# Altium PCB GEM_AFE_128.PcbDoc (part 16 of 18) (continued)
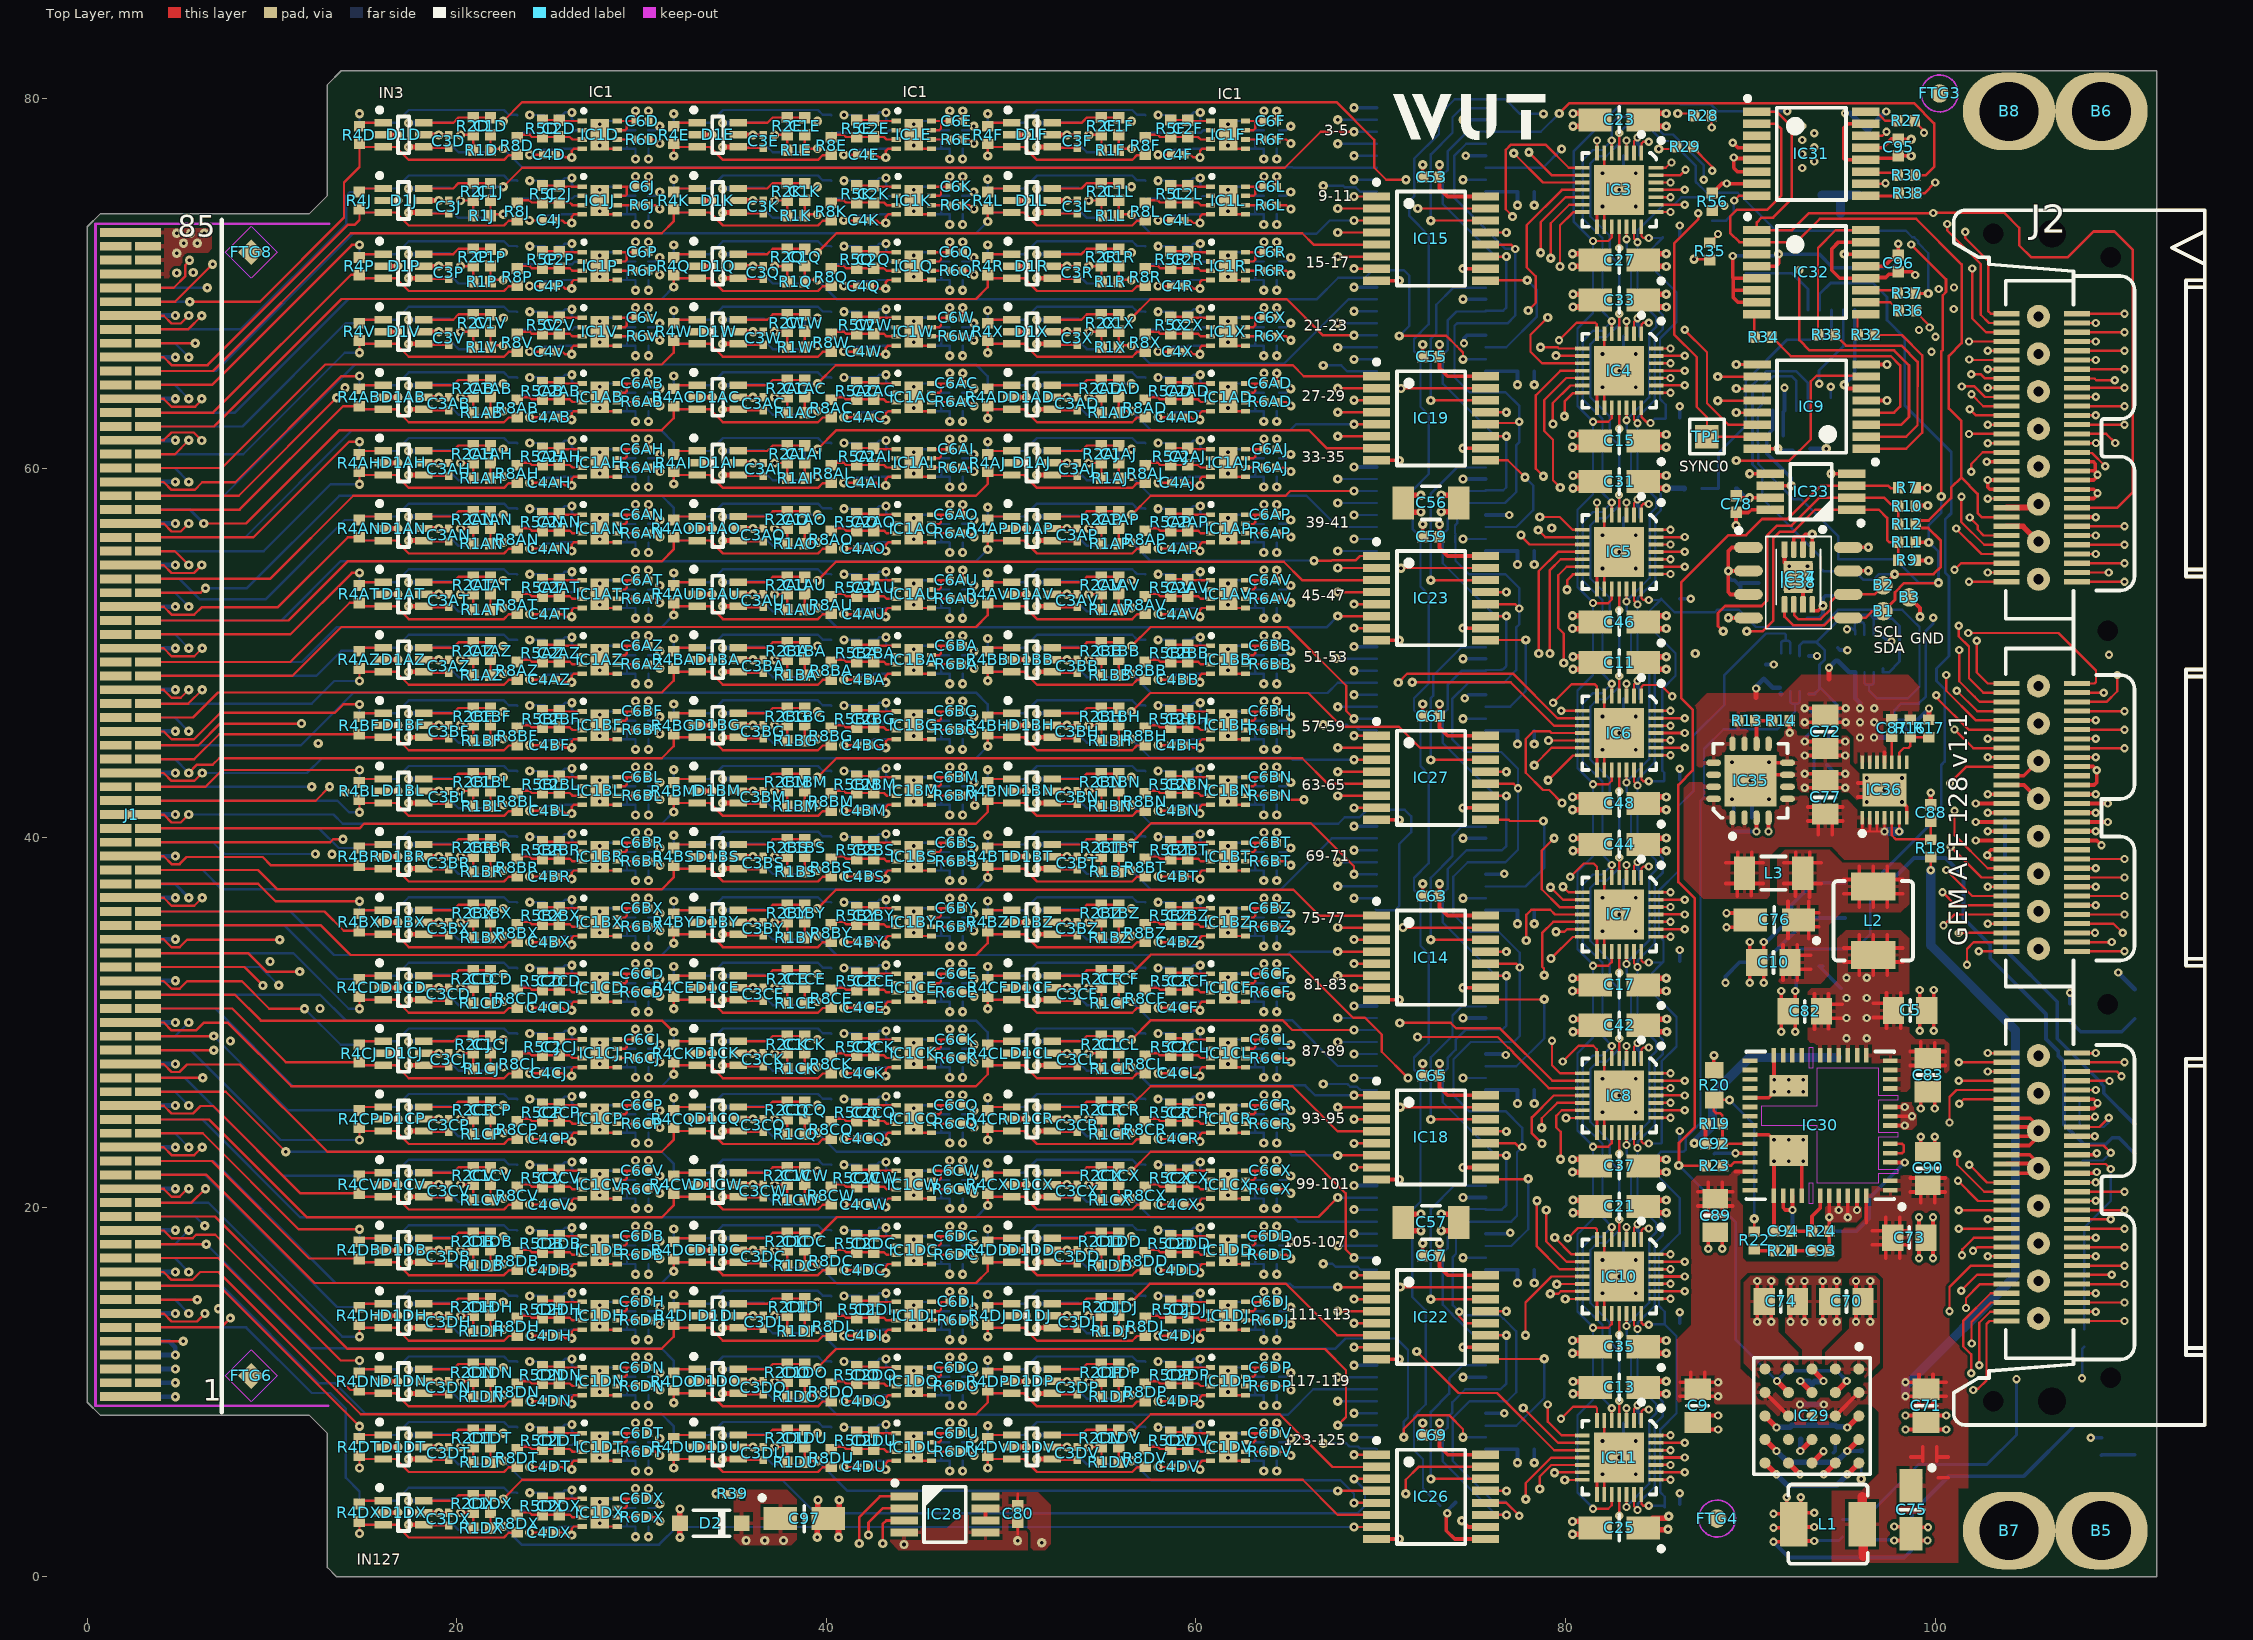
[diagram p0: Top Layer view]
## Nets (pads, with @x,y where several pads share a name; then routed paths per layer and width w, separated by ;. In a path a pad name is that pad's centre, name@x,y a point inside that pad or via, vN(x,y) a via of type N, cw(c..) or ccw(c..) an arc to the next point about the centre after c; other vN are vias at no path point) (continued)
  L4 w0.127: v1(65.132,32.339) 67.28,32.339 67.502,32.117 67.873,32.117 68.282,32.525 68.815,32.525 69.002,32.339 75.339,32.339 75.979,32.979 76.939,32.979 77.105,32.812 77.13,32.812 77.359,32.584 78.023,32.584 78.413,32.974 80.926,32.974 82.05,31.85 84.2,31.85 84.772,31.278 86.128,31.278 88.25,33.4 91.05,33.4 92.178,34.528 100.972,34.528 101.084,34.416 101.516,34.416 101.641,34.541 103.609,34.541 105.1,33.05 106.85,33.05 v2(108.65,34.85)
  Bottom Layer w0.127: R6CC.2@64.506,32.126 64.882,32.126 65.094,32.339 v1(65.132,32.339)
OUTP81: J2.117 R6CD.2 | length 79
  Top Layer w0.127: R6CD.2@30.361,31.624 30.736,31.624 30.949,31.411 v1(30.987,31.411) ; v2(101.722,33.122) 101.722,33.974 102.092,34.344 J2.117@103.861,34.344
  L4 w0.127: v1(30.987,31.411) 32.731,31.411 34.043,30.1 67.231,30.1 67.503,29.828 67.847,29.828 68.119,30.1 70.571,30.1 70.86,30.389 73.717,30.389 74.278,29.828 74.622,29.828 74.894,30.1 79.343,30.1 79.986,29.457 79.986,29.321 80.229,29.077 80.627,29.077 81.6,30.05 84,30.05 85.228,28.822 85.872,28.822 88.335,31.285 92.585,31.285 94.422,33.122 v2(101.722,33.122)
OUTP82: J2.118 R6CE.2 | length 69.7
  Top Layer w0.127: R6CE.2@47.361,31.624 47.736,31.624 47.949,31.411 v1(47.987,31.411) ; J2.118@107.671,34.344 109.544,34.344 v2(109.55,34.35)
  L4 w0.127: v1(47.987,31.411) 48.889,31.411 49.675,30.625 56.8,30.625 57.425,31.25 60.55,31.25 61.1,30.7 62.525,30.7 63.025,31.2 64.45,31.2 64.9,30.75 68.106,30.75 68.378,30.478 68.722,30.478 68.994,30.75 78.05,30.75 78.35,30.45 79.15,30.45 79.3,30.6 84,30.6 85.059,29.541 85.059,29.321 85.302,29.077 85.646,29.077 88.265,31.696 90.996,31.696 92.731,33.431 101.231,33.431 101.34,33.54 101.96,33.54 103.091,32.409 107.609,32.409 v2(109.55,34.35)
OUTP83: J2.119 R6CF.2 | length 41.7
  Top Layer w0.127: R6CF.2@64.511,31.624 64.886,31.624 65.099,31.411 v1(65.137,31.411) ; v2(102.35,33.85) 102.356,33.844 J2.119@103.861,33.844
  L4 w0.127: v1@64.987,31.411 v1(65.137,31.411) 70.591,31.411 70.827,31.647 71.17,31.647 71.579,31.238 74.715,31.238 74.888,31.411 77.939,31.411 78.51,30.84 79.015,30.84 79.124,30.95 84.15,30.95 84.5,30.6 86.45,30.6 88.55,32.7 91.34,32.7 92.49,33.85 v2(102.35,33.85)
OUTP84: J2.120 R6CG.2 | length 89.3
  Top Layer w0.127: J2.120@107.671,33.844 v2(110.25,33.844)
  L4 w0.127: v1(30.982,28.789) 32.815,28.789 33.427,29.4 37.775,29.4 38.6,28.575 43.075,28.575 43.9,29.4 44.875,29.4 45.175,29.1 47.5,29.1 48.109,29.709 56.691,29.709 57.525,28.875 60.224,28.875 61.064,29.716 62.415,29.716 63.056,29.075 64.55,29.075 64.969,29.494 68.062,29.494 68.378,29.178 71.374,29.178 71.819,29.622 72.163,29.622 72.291,29.494 79.355,29.494 80.049,28.8 80.85,28.8 81.75,29.7 83.7,29.7 84.365,29.035 84.66,29.035 85.124,28.572 86.072,28.572 88.467,30.967 92.717,30.967 94.565,32.815 100.985,32.815 101.706,32.094 107.944,32.094 109.694,33.844 v2(110.25,33.844)
  Bottom Layer w0.127: R6CG.2@30.356,28.576 30.732,28.576 30.944,28.789 v1(30.982,28.789)
OUTP85: J2.121 R6CH.2 | length 60.7
  Top Layer w0.127: v2(102.84,28.343) 102.842,28.341 J2.121@103.861,28.341
  L4 w0.127: v1(47.982,28.789) 50.392,28.789 51.004,29.4 51.675,29.4 52.225,28.85 54.675,28.85 55.15,28.375 60.325,28.375 61.3,29.35 62.025,29.35 63.05,28.325 66.525,28.325 66.551,28.299 67.969,28.299 68.378,28.708 68.722,28.708 69.007,28.423 72.632,28.423 72.909,28.7 78.287,28.7 78.662,28.325 78.925,28.325 78.977,28.273 81.827,28.273 82.15,27.95 86.4,27.95 88.6,30.15 94.45,30.15 94.8,29.8 96.65,29.8 96.95,30.1 101.083,30.1 v2(102.84,28.343)
  Bottom Layer w0.127: R6CH.2@47.356,28.576 47.732,28.576 47.944,28.789 v1(47.982,28.789)
OUTP86: J2.122 R6CI.2 | length 48.1
  Top Layer w0.127: J2.122@107.671,28.341 108.69,28.341 v2(108.692,28.343)
  L4 w0.127: v1(65.132,28.789) 67.242,28.789 67.503,28.528 67.875,28.528 68.283,28.937 68.817,28.937 68.964,28.789 72.464,28.789 72.883,29.207 78.066,29.207 78.345,28.929 78.382,28.929 78.522,28.789 78.942,28.789 79.19,28.541 82.109,28.541 82.395,28.255 86.255,28.255 88.636,30.636 106.399,30.636 v2(108.692,28.343)
  Bottom Layer w0.127: R6CI.2@64.506,28.576 64.882,28.576 65.094,28.789 v1(65.132,28.789)
OUTP87: J2.123 R6CJ.2 | length 76.8
  Top Layer w0.127: R6CJ.2@30.361,28.074 30.736,28.074 30.949,27.861 v1(30.987,27.861) ; v2(101.282,27.841) J2.123@103.861,27.841
  L4 w0.127: v1(30.987,27.861) 32.731,27.861 33.393,27.2 37.775,27.2 38.6,28.025 43.15,28.025 43.9,27.275 45.05,27.275 45.3,27.525 47.55,27.525 48.525,26.55 66.423,26.55 66.72,26.253 67.064,26.253 67.247,26.436 68.343,26.436 68.377,26.47 68.72,26.47 68.754,26.436 74.786,26.436 75.2,26.85 81.45,26.85 81.8,26.5 84.75,26.5 85.2,26.05 85.897,26.05 86.286,26.438 86.888,26.438 87.35,26.9 88.35,26.9 89.655,28.205 100.918,28.205 v2(101.282,27.841)
OUTP88: J2.124 R6CK.2 | length 70.4
  Top Layer w0.127: R6CK.2@47.361,28.074 47.736,28.074 47.949,27.861 v1(47.987,27.861) ; J2.124@107.671,27.841 v2(110.25,27.841)
  L4 w0.127: v1(47.987,27.861) 48.889,27.861 49.675,27.075 56.8,27.075 57.425,27.7 60.55,27.7 61.1,27.15 62.525,27.15 63.025,27.65 64.45,27.65 64.9,27.2 68.17,27.2 68.378,27.408 71.647,27.408 71.691,27.364 74.234,27.364 74.278,27.408 74.622,27.408 74.83,27.2 80.3,27.2 80.46,27.36 84.89,27.36 85.392,26.858 85.837,26.858 86.329,27.35 88.2,27.35 89.51,28.66 101.078,28.66 102.043,27.695 102.043,27.325 102.486,26.882 103.013,26.882 105.271,29.14 105.967,29.14 107.266,27.841 v2(110.25,27.841)
OUTP89: J2.125 R6CL.2 | length 41.6
  Top Layer w0.127: R6CL.2@64.511,28.074 64.886,28.074 65.099,27.861 v1(65.137,27.861) ; v2(102.84,27.343) 102.842,27.341 J2.125@103.861,27.341
  L4 w0.127: v1(65.137,27.861) 71.768,27.861 72.102,28.195 73.345,28.195 73.679,27.861 76.597,27.861 76.608,27.851 76.931,27.851 76.942,27.861 79.289,27.861 79.658,27.493 80.042,27.493 80.2,27.65 86.65,27.65 86.801,27.801 88.2,27.801 89.448,29.05 94.4,29.05 94.885,29.535 96.615,29.535 97.05,29.1 101.083,29.1 v2(102.84,27.343)
OUTP90: J2.126 R6CM.2 | length 90
  Top Layer w0.127: J2.126@107.671,27.341 109.836,27.341 v2(110.083,27.094)
  L4 w0.127: v1(30.982,25.239) 32.815,25.239 33.427,25.85 37.775,25.85 38.6,25.025 43.075,25.025 43.9,25.85 44.875,25.85 45.95,24.775 49.929,24.775 51.004,25.85 51.675,25.85 52.225,25.3 54.675,25.3 55.15,24.825 60.325,24.825 61.3,25.8 62.025,25.8 63.05,24.775 66.3,24.775 66.314,24.761 67.968,24.761 68.377,25.17 68.72,25.17 69.188,24.702 71.446,24.702 71.944,25.2 78.487,25.2 78.937,25.65 80.8,25.65 81.72,24.73 82.785,24.73 84.854,24.73 85.857,23.727 86.477,23.727 88.119,25.369 93.679,25.369 95.262,26.952 100.082,26.952 101.044,25.99 103.8,25.99 104.848,27.038 106.262,27.038 106.55,26.75 108.9,26.75 109.3,26.35 109.746,26.35 110.083,26.687 v2(110.083,27.094)
  Bottom Layer w0.127: R6CM.2@30.356,25.026 30.732,25.026 30.944,25.239 v1(30.982,25.239)
OUTP91: J2.127 R6CN.2 | length 60.8
  Top Layer w0.127: v2(101.282,26.841) J2.127@103.861,26.841
  L4 w0.127: v1(47.982,25.239) 48.989,25.239 49.909,26.159 56.691,26.159 57.525,25.325 60.224,25.325 61.064,26.166 62.415,26.166 63.056,25.525 64.55,25.525 64.969,25.944 68.072,25.944 68.377,25.639 68.72,25.639 69.052,25.971 74.921,25.971 75.35,26.4 81.2,26.4 81.55,26.05 82.25,26.05 82.67,25.63 83.23,25.63 83.6,26 84.7,26 85.442,25.258 85.837,25.258 86.218,25.638 86.788,25.638 87.7,26.55 88.5,26.55 89.776,27.826 100.297,27.826 v2(101.282,26.841)
  Bottom Layer w0.127: R6CN.2@47.356,25.026 47.732,25.026 47.944,25.239 v1(47.982,25.239)
OUTP92: J2.128 R6CO.2 | length 51.2
  Top Layer w0.127: J2.128@107.671,26.841 109.422,26.841 v2(109.437,26.826)
  L4 w0.127: v1@64.982,25.239 v1(65.132,25.239) 67.252,25.239 67.502,24.989 67.845,24.989 68.254,25.398 68.815,25.398 68.975,25.239 70.629,25.239 70.878,24.989 71.222,24.989 71.811,25.578 75.141,25.578 75.612,26.05 80.9,26.05 81.39,25.56 82.24,25.56 82.5,25.3 83.35,25.3 83.61,25.56 84.399,25.56 85.501,24.458 85.837,24.458 86.079,24.7 86.6,24.7 88.119,26.219 90.631,26.219 91.014,25.836 93.486,25.836 95.069,27.419 100.041,27.419 101.01,26.45 103.6,26.45 104.435,27.285 108.977,27.285 v2(109.437,26.826)
  Bottom Layer w0.127: R6CO.2@64.506,25.026 64.882,25.026 65.094,25.239 v1(65.132,25.239)
OUTP93: J2.129 R6CP.2 | length 79.7
  Top Layer w0.127: R6CP.2@30.361,24.524 30.736,24.524 30.949,24.311 v1(30.987,24.311) ; v2(100.779,24.586) 100.779,25.971 101.148,26.341 J2.129@103.861,26.341
  L4 w0.127: v1(30.987,24.311) 32.731,24.311 33.643,23.4 39.85,23.4 40.578,24.128 43.522,24.128 44,23.65 45.749,23.65 46.399,23 67.282,23 67.502,23.22 67.845,23.22 68.065,23 73.15,23 73.839,23.689 77.039,23.689 77.229,23.879 84.616,23.879 85.491,23.004 85.646,23.004 85.973,22.677 86.321,22.677 86.598,22.4 87.434,22.4 89.29,24.255 94.141,24.255 95.724,25.839 100.038,25.839 100.201,25.676 100.202,25.676 100.37,25.508 100.37,24.994 v2(100.779,24.586)
OUTP94: J2.130 R6CQ.2 | length 67.6
  Top Layer w0.127: R6CQ.2@47.361,24.524 47.736,24.524 47.949,24.311 v1(47.987,24.311) ; J2.130@107.671,26.341 108.69,26.341 v2(108.692,26.343)
  L4 w0.127: v1(47.987,24.311) 48.889,24.311 49.675,23.525 56.8,23.525 57.425,24.15 60.55,24.15 61.1,23.6 62.525,23.6 63.025,24.1 64.45,24.1 64.9,23.65 68.157,23.65 68.377,23.87 68.72,23.87 68.94,23.65 73,23.65 73.87,24.52 78.353,24.52 78.542,24.709 78.991,24.709 79.3,24.4 81.1,24.4 81.345,24.155 84.684,24.155 85.59,23.25 85.795,23.25 86.14,22.905 86.441,22.905 86.618,22.728 87.256,22.728 89.15,24.623 93.988,24.623 95.572,26.206 100.061,26.206 101.317,24.95 103.2,24.95 103.35,25.1 107.449,25.1 v2(108.692,26.343)
OUTP95: J2.131 R6CR.2 | length 42.9
  Top Layer w0.127: R6CR.2@64.511,24.524 64.886,24.524 65.099,24.311 v1(65.137,24.311) ; v2(101.3,25.6) 101.541,25.841 J2.131@103.861,25.841
  L4 w0.127: v1@64.987,24.311 v1(65.137,24.311) 73.111,24.311 73.679,24.879 78.254,24.879 78.331,24.956 78.643,24.956 78.987,25.3 80.7,25.3 81.6,24.4 84.809,24.4 85.73,23.479 86.021,23.479 86.366,23.134 86.601,23.134 86.709,23.026 87.052,23.026 87.076,23.05 87.141,23.05 87.384,23.293 87.384,23.358 89.011,24.985 93.838,24.985 95.422,26.568 100.06,26.568 100.997,25.631 101.269,25.631 v2(101.3,25.6)
OUTP96: J2.149 R6CS.2 | length 79
  Top Layer w0.127: v2(101.85,22.3) 102.809,21.341 J2.149@103.861,21.341
  L4 w0.127: v1(30.982,21.689) 32.815,21.689 33.427,22.3 37.775,22.3 38.6,21.475 43.075,21.475 43.9,22.3 44.875,22.3 45.95,21.225 49.929,21.225 51.004,22.3 51.675,22.3 52.225,21.75 54.675,21.75 55.15,21.275 60.325,21.275 61.3,22.25 62.025,22.25 63.05,21.225 67.909,21.225 68.378,20.756 68.722,20.756 69.191,21.225 69.85,21.225 69.986,21.089 71.17,21.089 71.39,21.309 76.523,21.309 77.484,22.271 78.787,22.271 79.958,21.1 84.5,21.1 84.571,21.029 87.788,21.029 88.422,21.662 89.912,21.662 90.284,22.034 98.304,22.034 98.305,22.035 98.512,22.035 98.777,22.3 v2(101.85,22.3)
  Bottom Layer w0.127: R6CS.2@30.356,21.476 30.732,21.476 30.944,21.689 v1(30.982,21.689)
OUTP97: J2.150 R6CT.2 | length 67.8
  Top Layer w0.127: J2.150@107.671,21.341 108.69,21.341 v2(108.692,21.343)
  L4 w0.127: v1(47.982,21.689) 48.989,21.689 49.909,22.609 56.691,22.609 57.525,21.775 60.224,21.775 61.064,22.616 62.415,22.616 63.056,21.975 64.55,21.975 64.969,22.394 66.229,22.394 66.234,22.389 68.196,22.389 68.377,22.57 68.72,22.57 68.896,22.394 73.044,22.394 73.968,23.318 77.078,23.318 77.41,23.649 77.941,23.649 78.314,23.276 78.314,23.274 78.557,23.03 78.559,23.03 78.901,23.03 79.221,23.35 80.86,23.35 81.76,22.45 84.313,22.45 85.277,21.486 85.621,21.486 85.842,21.707 87.507,21.707 88.3,22.5 89.4,22.5 90.129,23.229 100.129,23.229 100.75,23.85 104.35,23.85 104.95,23.25 106.785,23.25 v2(108.692,21.343)
  Bottom Layer w0.127: R6CT.2@47.356,21.476 47.732,21.476 47.944,21.689 v1(47.982,21.689)
OUTP98: J2.151 R6CU.2 | length 42.6
  Top Layer w0.127: v2(101.2,22.9) 101.2,22.3 102.659,20.841 J2.151@103.861,20.841
  L4 w0.127: v1@64.982,21.689 v1(65.132,21.689) 70.596,21.689 70.827,21.92 71.17,21.92 71.401,21.689 76.366,21.689 77.327,22.65 79.008,22.65 80.185,21.473 84.677,21.473 84.892,21.258 85.181,21.258 85.182,21.257 85.807,21.257 85.913,21.363 87.65,21.363 88.387,22.1 89.55,22.1 90.346,22.896 101.196,22.896 v2(101.2,22.9)
  Bottom Layer w0.127: R6CU.2@64.506,21.476 64.882,21.476 65.094,21.689 v1(65.132,21.689)
OUTP99: J2.152 R6CV.2 | length 87.4
  Top Layer w0.127: R6CV.2@30.361,20.974 30.736,20.974 30.949,20.761 v1(30.987,20.761) ; J2.152@107.671,20.841 v2(110.25,20.841)
  L4 w0.127: v1(30.987,20.761) 32.731,20.761 33.393,20.1 37.625,20.1 38.475,20.95 43.4,20.95 44.3,20.05 45.605,20.05 46.205,19.45 71.3,19.45 71.894,20.044 73.606,20.044 74,19.65 77.85,19.65 78.422,19.078 79.972,19.078 80.024,19.026 80.9,19.026 81.724,19.85 84.2,19.85 85.041,19.009 85.809,19.009 86.742,19.942 88.268,19.942 88.989,20.664 90.682,20.664 91.141,21.123 100.777,21.123 100.95,20.95 101.45,20.95 102,21.5 104.85,21.5 105.131,21.219 107.081,21.219 108.4,19.9 108.832,19.9 109.773,20.841 v2(110.25,20.841)
OUTP100: J2.153 R6CW.2 | length 60.4
  Top Layer w0.127: R6CW.2@47.361,20.974 47.736,20.974 47.949,20.761 v1(47.987,20.761) ; v2(101.231,21.43) 102.32,20.341 J2.153@103.861,20.341
  L4 w0.127: v1(47.987,20.761) 48.889,20.761 49.675,19.975 56.8,19.975 57.425,20.6 60.55,20.6 61.1,20.05 62.525,20.05 63.025,20.55 64.45,20.55 64.9,20.1 68.191,20.1 68.378,20.287 74.063,20.287 74.25,20.1 78.113,20.1 78.778,19.435 80.076,19.435 80.229,19.281 80.631,19.281 81.6,20.25 84.308,20.25 85.277,19.281 85.631,19.281 86.6,20.25 88.1,20.25 88.844,20.994 90.444,20.994 90.88,21.43 v2(101.231,21.43)
OUTP101: J2.154 R6CX.2 | length 49.2
  Top Layer w0.127: R6CX.2@64.511,20.974 64.886,20.974 65.099,20.761 v1(65.137,20.761) ; J2.154@107.671,20.341 v2(108.692,20.343) v2(108.692,20.343)
  L4 w0.127: v1@64.987,20.761 v1(65.137,20.761) 66.3,20.761 66.475,20.937 67.874,20.937 68.283,20.528 68.817,20.528 69.05,20.761 72,20.761 72.175,20.937 76.687,20.937 77.702,21.952 78.448,21.952 79.6,20.8 80.65,20.8 80.717,20.733 85.21,20.733 85.277,20.8 85.7,20.8 85.85,20.65 87.945,20.65 88.614,21.319 90.104,21.319 90.529,21.744 98.74,21.744 98.884,21.888 103.988,21.888 105.121,23.021 106.343,23.021 107.019,22.346 107.019,22.017 v2(108.692,20.343)
OUTP102: J2.155 R6CY.2 | length 79
  Top Layer w0.127: v2(101.282,19.841) J2.155@103.861,19.841
  L4 w0.127: v1(30.982,18.139) 32.815,18.139 33.427,18.75 37.775,18.75 38.6,17.925 43.075,17.925 43.9,18.75 44.875,18.75 45.95,17.675 49.929,17.675 51.004,18.75 51.675,18.75 52.225,18.2 54.675,18.2 55.15,17.725 60.325,17.725 61.3,18.7 62.025,18.7 63.05,17.675 67.334,17.675 67.503,17.506 67.847,17.506 68.256,17.915 68.817,17.915 69.057,17.675 71.278,17.675 71.703,17.25 73.39,17.25 74.113,17.973 77.427,17.973 77.95,17.45 80.35,17.45 80.764,17.864 85.014,17.864 85.285,18.135 86.171,18.135 87.105,19.068 88.63,19.068 89.351,19.79 91.649,19.79 92.095,20.235 92.109,20.235 92.113,20.24 100.16,20.24 100.559,19.841 v2(101.282,19.841)
  Bottom Layer w0.127: R6CY.2@30.356,17.926 30.732,17.926 30.944,18.139 v1(30.982,18.139)
OUTP103: J2.156 R6CZ.2 | length 69.6
  Top Layer w0.127: J2.156@107.671,19.841 v2(110.25,19.841)
  L4 w0.127: v1(47.982,18.139) 48.989,18.139 49.909,19.059 56.691,19.059 57.525,18.225 60.224,18.225 61.064,19.066 62.415,19.066 63.056,18.425 64.55,18.425 64.969,18.844 66.229,18.844 66.372,18.987 68.722,18.987 68.864,18.844 71.706,18.844 72.061,19.2 77.664,19.2 78.098,18.765 79.23,18.765 79.238,18.773 80.277,18.773 80.515,18.535 84.261,18.535 84.337,18.459 84.66,18.459 84.905,18.704 85.935,18.704 86.869,19.638 88.394,19.638 89.115,20.359 91.026,20.359 91.497,20.83 100.62,20.83 100.85,20.6 101.65,20.6 102.041,20.991 106.209,20.991 107.65,19.55 108.95,19.55 109.241,19.841 v2(110.25,19.841)
  Bottom Layer w0.127: R6CZ.2@47.356,17.926 47.732,17.926 47.944,18.139 v1(47.982,18.139)
OUTP104: J2.157 R6DA.2 | length 42
  Top Layer w0.127: v2(102.84,19.343) 102.842,19.341 J2.157@103.861,19.341
  L4 w0.127: v1@64.982,18.139 v1(65.132,18.139) 67.305,18.139 67.503,18.337 67.847,18.337 68.04,18.144 68.911,18.144 68.916,18.139 71.47,18.139 71.99,17.618 73.327,17.618 74.009,18.301 76.766,18.301 76.838,18.229 77.162,18.229 77.234,18.301 77.949,18.301 78.325,17.925 80.275,17.925 80.5,18.15 84.85,18.15 85.114,18.414 86.056,18.414 86.989,19.348 88.514,19.348 89.235,20.069 91.348,20.069 91.816,20.537 100.463,20.537 100.7,20.3 101.883,20.3 v2(102.84,19.343)
  Bottom Layer w0.127: R6DA.2@64.506,17.926 64.882,17.926 65.094,18.139 v1(65.132,18.139)
OUTP105: J2.158 R6DB.2 | length 86.6
  Top Layer w0.127: R6DB.2@30.361,17.424 30.736,17.424 30.949,17.211 v1(30.987,17.211) ; J2.158@107.671,19.341 109.491,19.341 v2(109.5,19.35)
  L4 w0.127: v1(30.987,17.211) 32.731,17.211 33.799,16.143 42.857,16.143 43.1,15.9 67.309,15.9 67.502,16.092 67.845,16.092 68.038,15.9 70.686,15.9 70.878,16.092 74.492,16.092 74.712,16.312 82.312,16.312 82.664,16.664 83.136,16.664 83.4,16.4 85.3,16.4 85.438,16.262 85.837,16.262 86.237,16.662 86.609,16.662 87.171,17.224 88.605,17.224 89.626,18.246 100.546,18.246 100.65,18.35 101.5,18.35 101.7,18.55 104.64,18.55 105.04,18.95 106.25,18.95 106.4,18.8 108.9,18.8 109.3,18.4 110.4,18.4 110.672,18.672 110.672,19.078 110.4,19.35 v2(109.5,19.35)
OUTP106: J2.159 R6DC.2 | length 59.2
  Top Layer w0.127: R6DC.2@47.361,17.424 47.736,17.424 47.949,17.211 v1(47.987,17.211) ; v2(101.282,18.841) J2.159@103.861,18.841
  L4 w0.127: v1(47.987,17.211) 48.889,17.211 49.675,16.425 56.8,16.425 57.425,17.05 60.55,17.05 61.1,16.5 62.525,16.5 63.025,17 64.45,17 64.9,16.55 66.3,16.55 66.318,16.532 68.166,16.532 68.377,16.742 68.72,16.742 68.913,16.55 74.4,16.55 74.57,16.72 82.22,16.72 82.5,17 83.3,17 83.6,16.7 84.05,16.7 84.4,17.05 85.893,17.05 87.287,18.443 89.2,18.443 89.377,18.621 100.421,18.621 100.641,18.841 v2(101.282,18.841)
OUTP107: J2.160 R6DD.2 | length 51.2
  Top Layer w0.127: R6DD.2@64.511,17.424 64.886,17.424 65.099,17.211 v1(65.137,17.211) ; J2.160@107.671,18.841 v2(110.25,18.841)
  L4 w0.127: v1@64.987,17.211 v1(65.137,17.211) 66.3,17.211 66.451,17.362 67.324,17.362 67.408,17.278 67.969,17.278 68.378,17.686 68.722,17.686 69.197,17.211 71.086,17.211 71.415,16.882 73.473,16.882 74.292,17.7 76.95,17.7 77.55,17.1 80.6,17.1 81.064,17.564 85.236,17.564 85.52,17.848 86.29,17.848 87.223,18.782 88.982,18.782 89.159,18.959 100.159,18.959 100.55,19.35 101.529,19.35 102.045,18.835 103.085,18.835 103.45,19.2 108.95,19.2 109.309,18.841 v2(110.25,18.841)
OUTP108: J2.161 R6DE.2 | length 80.2
  Top Layer w0.127: v2(101.45,17.4) 101.467,17.417 101.467,17.717 102.091,18.341 J2.161@103.861,18.341
  L4 w0.127: v1(30.982,14.589) 32.815,14.589 33.427,15.2 37.775,15.2 38.6,14.375 43.74,14.375 44.513,15.149 44.926,15.149 45.95,14.125 49.929,14.125 51.004,15.2 51.675,15.2 52.225,14.65 54.675,14.65 55.15,14.175 60.325,14.175 61.3,15.15 62.025,15.15 63.05,14.125 66.3,14.125 66.463,13.962 68.196,13.962 68.377,14.142 68.72,14.142 68.738,14.125 71.313,14.125 71.659,14.471 72.771,14.471 73.1,14.8 77.9,14.8 78.717,13.983 80.483,13.983 81.113,14.613 85.092,14.613 85.787,13.918 86.718,13.918 89.947,17.147 98.403,17.147 98.694,16.856 100.106,16.856 100.5,17.25 100.928,17.25 101.078,17.4 v2(101.45,17.4)
  Bottom Layer w0.127: R6DE.2@30.356,14.376 30.732,14.376 30.944,14.589 v1(30.982,14.589)
OUTP109: J2.162 R6DF.2 | length 67.4
  Top Layer w0.127: J2.162@107.671,18.341 108.69,18.341 v2(108.692,18.343)
  L4 w0.127: v1(47.982,14.589) 48.989,14.589 49.909,15.509 56.691,15.509 57.525,14.675 60.224,14.675 61.064,15.516 62.415,15.516 63.056,14.875 64.55,14.875 64.969,15.294 66.229,15.294 66.262,15.262 68.196,15.262 68.377,15.442 70.028,15.442 70.237,15.233 71.283,15.233 71.806,15.756 76.823,15.756 77.164,15.415 78.339,15.415 79.135,14.619 80.196,14.619 81.376,15.799 85.101,15.799 85.45,15.45 85.881,15.45 86.281,15.85 86.75,15.85 87.824,16.924 88.729,16.924 89.703,17.899 100.649,17.899 100.833,18.083 104.167,18.083 105.1,17.15 106.2,17.15 107.393,18.343 v2(108.692,18.343)
  Bottom Layer w0.127: R6DF.2@47.356,14.376 47.732,14.376 47.944,14.589 v1(47.982,14.589)
OUTP110: J2.163 R6DG.2 | length 42.5
  Top Layer w0.127: v2(102.048,17.639) 102.082,17.639 102.284,17.841 J2.163@103.861,17.841
  L4 w0.127: v1@64.982,14.589 v1(65.132,14.589) 67.298,14.589 67.502,14.792 67.845,14.792 68.049,14.589 71.15,14.589 71.996,15.435 76.69,15.435 77.031,15.094 78.206,15.094 79.011,14.289 80.32,14.289 80.951,14.92 85.23,14.92 85.488,14.662 85.962,14.662 86.2,14.9 86.469,14.9 88.161,16.592 88.867,16.592 89.759,17.484 98.806,17.484 98.959,17.637 100.063,17.637 100.15,17.55 100.773,17.55 101.013,17.79 101.612,17.79 101.739,17.663 102.024,17.663 v2(102.048,17.639)
  Bottom Layer w0.127: R6DG.2@64.506,14.376 64.882,14.376 65.094,14.589 v1(65.132,14.589)
OUTP111: J2.164 R6DH.2 | length 88.4
  Top Layer w0.127: R6DH.2@30.361,13.874 30.736,13.874 30.949,13.661 v1(30.987,13.661) ; J2.164@107.671,17.841 v2(110.25,17.841)
  L4 w0.127: v1(30.987,13.661) 32.731,13.661 33.812,12.581 42.869,12.581 42.975,12.475 46.075,12.475 46.2,12.35 67.884,12.35 68.377,12.842 68.72,12.842 69.213,12.35 71.513,12.35 72.373,13.21 75.599,13.21 76.181,12.628 79.245,12.628 80.185,11.689 80.589,11.689 80.984,12.084 84.883,12.084 85.277,11.69 85.621,11.69 85.831,11.9 86.2,11.9 89.805,15.505 100.316,15.505 101.111,16.3 103.75,16.3 104.95,15.1 106.05,15.1 107.8,16.85 108.798,16.85 109.789,17.841 v2(110.25,17.841)
OUTP112: J2.165 R6DI.2 | length 60.7
  Top Layer w0.127: R6DI.2@47.361,13.874 47.736,13.874 47.949,13.661 v1(47.987,13.661) ; v2(102.84,17.343) 102.842,17.341 J2.165@103.861,17.341
  L4 w0.127: v1(47.987,13.661) 48.889,13.661 49.675,12.875 56.8,12.875 57.425,13.5 60.55,13.5 61.1,12.95 62.525,12.95 63.025,13.45 64.45,13.45 64.9,13 66.3,13 66.371,13.071 71.421,13.071 71.95,13.6 78.1,13.6 78.357,13.343 80.693,13.343 81.34,13.99 84.19,13.99 84.239,14.039 84.854,14.039 85.549,13.344 87.048,13.344 90.143,16.439 96.961,16.439 97.3,16.1 100.358,16.1 100.908,16.65 102.147,16.65 v2(102.84,17.343)
OUTP113: J2.166 R6DJ.2 | length 49
  Top Layer w0.127: R6DJ.2@64.511,13.874 64.886,13.874 65.099,13.661 v1(65.137,13.661) ; J2.166@107.671,17.341 v2(108.692,17.343) v2(108.692,17.343)
  L4 w0.127: v1(65.137,13.661) 68.027,13.661 68.377,13.312 68.72,13.312 69.07,13.661 71.461,13.661 71.762,13.962 74.086,13.962 74.088,13.96 74.412,13.96 74.414,13.962 78.288,13.962 78.58,13.67 80.62,13.67 81.245,14.295 85.011,14.295 85.676,13.63 86.904,13.63 90.076,16.801 97.111,16.801 97.45,16.462 100.205,16.462 100.742,17 102.1,17 102.45,17.35 102.45,17.55 102.65,17.75 103.65,17.75 104.5,16.9 106.55,16.9 106.993,17.343 v2(108.692,17.343)
OUTP114: J2.167 R6DK.2 | length 80.9
  Top Layer w0.127: v2(100.776,14.365) 100.776,15.676 101.941,16.841 J2.167@103.861,16.841
  L4 w0.127: v1(30.982,11.039) 32.815,11.039 33.427,11.65 37.775,11.65 38.6,10.825 43.614,10.825 44.439,11.65 44.875,11.65 45.95,10.575 49.929,10.575 51.004,11.65 51.675,11.65 52.225,11.1 54.675,11.1 55.15,10.625 60.325,10.625 61.3,11.6 62.025,11.6 63.05,10.575 67.313,10.575 67.503,10.385 67.847,10.385 68.037,10.575 72.581,10.575 73.638,11.632 77.518,11.632 78.178,10.972 80,10.972 80.029,11.001 85.274,11.001 85.277,11.004 85.646,11.004 85.8,10.85 86.635,10.85 90.141,14.356 v2@100.776,14.356
  Bottom Layer w0.127: R6DK.2@30.356,10.826 30.732,10.826 30.944,11.039 v1(30.982,11.039)
OUTP115: J2.168 R6DL.2 | length 71.8
  Top Layer w0.127: J2.168@107.671,16.841 v2(110.25,16.841)
  L4 w0.127: v1(47.982,11.039) 48.989,11.039 49.909,11.959 56.691,11.959 57.525,11.125 60.224,11.125 61.064,11.966 62.415,11.966 63.056,11.325 64.55,11.325 64.969,11.744 66.229,11.744 66.35,11.865 68.722,11.865 68.843,11.744 70.444,11.744 70.827,11.362 71.17,11.362 71.553,11.744 72.194,11.744 73.3,12.85 75.45,12.85 76.005,12.295 79.107,12.295 79.943,11.458 80.83,11.458 81.122,11.75 84.785,11.75 85.074,11.461 85.761,11.461 85.85,11.55 86.345,11.55 89.91,15.115 100.412,15.115 101.197,15.9 103.7,15.9 104.729,14.871 106.321,14.871 107.9,16.45 108.95,16.45 109.341,16.841 v2(110.25,16.841)
  Bottom Layer w0.127: R6DL.2@47.356,10.826 47.732,10.826 47.944,11.039 v1(47.982,11.039)
OUTP116: J2.169 R6DM.2 | length 42.7
  Top Layer w0.127: v2(101.414,15.489) 102.266,16.341 J2.169@103.861,16.341
  L4 w0.127: v1@64.982,11.039 v1(65.132,11.039) 66.311,11.039 66.488,11.215 68.198,11.215 68.378,11.035 68.722,11.035 68.726,11.039 72.389,11.039 73.336,11.986 77.664,11.986 78.324,11.326 79.524,11.326 79.62,11.23 81.03,11.23 81.16,11.36 84.64,11.36 84.767,11.233 86.476,11.233 89.983,14.739 100.489,14.739 101.177,15.427 101.352,15.427 v2(101.414,15.489)
  Bottom Layer w0.127: R6DM.2@64.506,10.826 64.882,10.826 65.094,11.039 v1(65.132,11.039)
OUTP117: J2.170 R6DN.2 | length 90.2
  Top Layer w0.127: R6DN.2@30.361,10.324 30.736,10.324 30.949,10.111 v1(30.987,10.111) ; J2.170@107.671,16.341 109.541,16.341 v2(109.55,16.35)
  L4 w0.127: v1(30.987,10.111) 32.731,10.111 33.726,9.117 38.808,9.117 39.125,8.8 68.013,8.8 68.378,8.435 68.722,8.435 69.622,9.335 73.165,9.335 73.58,9.75 78.057,9.75 78.875,8.931 79.308,8.931 79.317,8.94 79.912,8.94 80.139,8.713 84.287,8.713 84.337,8.663 84.663,8.663 84.75,8.75 86.205,8.75 86.827,9.372 88.477,9.372 91.69,12.586 97.183,12.586 97.609,13.011 101.011,13.011 101.45,13.45 103.75,13.45 104.55,12.65 106.316,12.65 107.5,13.834 107.5,14.95 108.3,15.75 108.95,15.75 109.3,15.4 110.45,15.4 110.7,15.65 110.7,16.05 110.4,16.35 v2(109.55,16.35)
OUTP118: J2.171 R6DO.2 | length 62.8
  Top Layer w0.127: R6DO.2@47.361,10.324 47.736,10.324 47.949,10.111 v1(47.987,10.111) ; v2(101.666,14.551) 101.666,15.076 102.43,15.841 J2.171@103.861,15.841
  L4 w0.127: v1(47.987,10.111) 48.889,10.111 49.675,9.325 56.8,9.325 57.425,9.95 60.55,9.95 61.1,9.4 62.525,9.4 63.025,9.9 64.45,9.9 64.9,9.45 67.138,9.45 67.503,9.085 67.847,9.085 68.471,9.709 73.009,9.709 73.45,10.15 79,10.15 79.913,9.237 80.887,9.237 81.7,10.05 84.15,10.05 85.1,9.1 86,9.1 89.85,12.95 97.028,12.95 97.505,13.427 100.877,13.427 101.666,14.216 v2(101.666,14.551)
OUTP119: J2.172 R6DP.2 | length 56
  Top Layer w0.127: R6DP.2@64.511,10.324 64.886,10.324 65.099,10.111 v1(65.137,10.111) ; J2.172@107.671,15.841 v2(110.25,15.841)
  L4 w0.127: v1@64.987,10.111 v1(65.137,10.111) 72.773,10.111 73.892,11.231 77.352,11.231 78.012,10.571 79.144,10.571 80.229,9.485 80.585,9.485 81.5,10.4 84.362,10.4 85.277,9.485 85.885,9.485 89.704,13.304 96.804,13.304 97.354,13.854 100.817,13.854 101.2,14.237 101.2,14.75 101.5,15.05 102.8,15.05 104.8,13.05 106.15,13.05 107.1,14 107.1,15.116 108.098,16.114 109.086,16.114 109.359,15.841 v2(110.25,15.841)
OUTP120: J2.173 R6DQ.2 | length 83.5
  Top Layer w0.127: v2(101.944,11.009) 101.944,12.044 101.513,12.475 101.513,13.847 103.007,15.341 J2.173@103.861,15.341
  L4 w0.127: v1(30.982,7.489) 32.273,7.489 34.311,5.45 42.878,5.45 43.895,4.433 65.318,4.433 66.185,5.3 67.85,5.3 68.265,4.885 68.885,4.885 70.423,6.423 75.073,6.423 75.885,7.235 76.754,7.235 77.067,6.922 81.128,6.922 81.45,6.6 82.45,6.6 82.718,6.868 83.072,6.868 83.2,6.74 83.44,6.5 84.5,6.5 85.35,5.65 85.889,5.65 86.289,6.05 88.4,6.05 92.127,9.777 97.027,9.777 98.259,11.009 v2(101.944,11.009)
  Bottom Layer w0.127: R6DQ.2@30.356,7.276 30.732,7.276 30.944,7.489 v1(30.982,7.489)
OUTP121: J2.174 R6DR.2 | length 70.2
  Top Layer w0.127: J2.174@107.671,15.341 108.69,15.341 v2(108.692,15.343)
  L4 w0.127: v1(47.982,7.489) 49.186,7.489 51.475,5.2 65,5.2 65.951,6.151 68.801,6.151 69.771,7.121 74.671,7.121 75.571,8.021 77.079,8.021 77.567,7.533 81.583,7.533 81.818,7.768 84.032,7.768 84.55,7.25 85.889,7.25 86.286,7.646 87.454,7.646 87.85,7.25 88.569,7.25 91.527,10.207 91.599,10.207 91.828,10.436 91.828,10.508 92.645,11.326 97.546,11.326 98.073,11.853 107.003,11.853 109.15,14 109.15,14.885 v2(108.692,15.343)
  Bottom Layer w0.127: R6DR.2@47.356,7.276 47.732,7.276 47.944,7.489 v1(47.982,7.489)
OUTP122: J2.175 R6DS.2 | length 44.3
  Top Layer w0.127: v2(101.98,12.629) 101.969,12.641 101.969,13.784 103.026,14.841 J2.175@103.861,14.841
  L4 w0.127: v1@64.982,7.489 v1(65.132,7.489) 66.311,7.489 66.463,7.641 67.841,7.641 68.25,8.05 68.9,8.05 69.749,8.899 73.145,8.899 73.548,9.302 76.914,9.302 78.066,8.15 80,8.15 80.25,8.4 86.35,8.4 86.936,8.986 87.958,8.986 88.092,9.12 88.77,9.12 91.85,12.2 97.327,12.2 97.756,12.629 v2(101.98,12.629)
  Bottom Layer w0.127: R6DS.2@64.506,7.276 64.882,7.276 65.094,7.489 v1(65.132,7.489)